# Altium PCB Wireless_Security_Detector.PcbDoc (part 1 of 2) (continued)
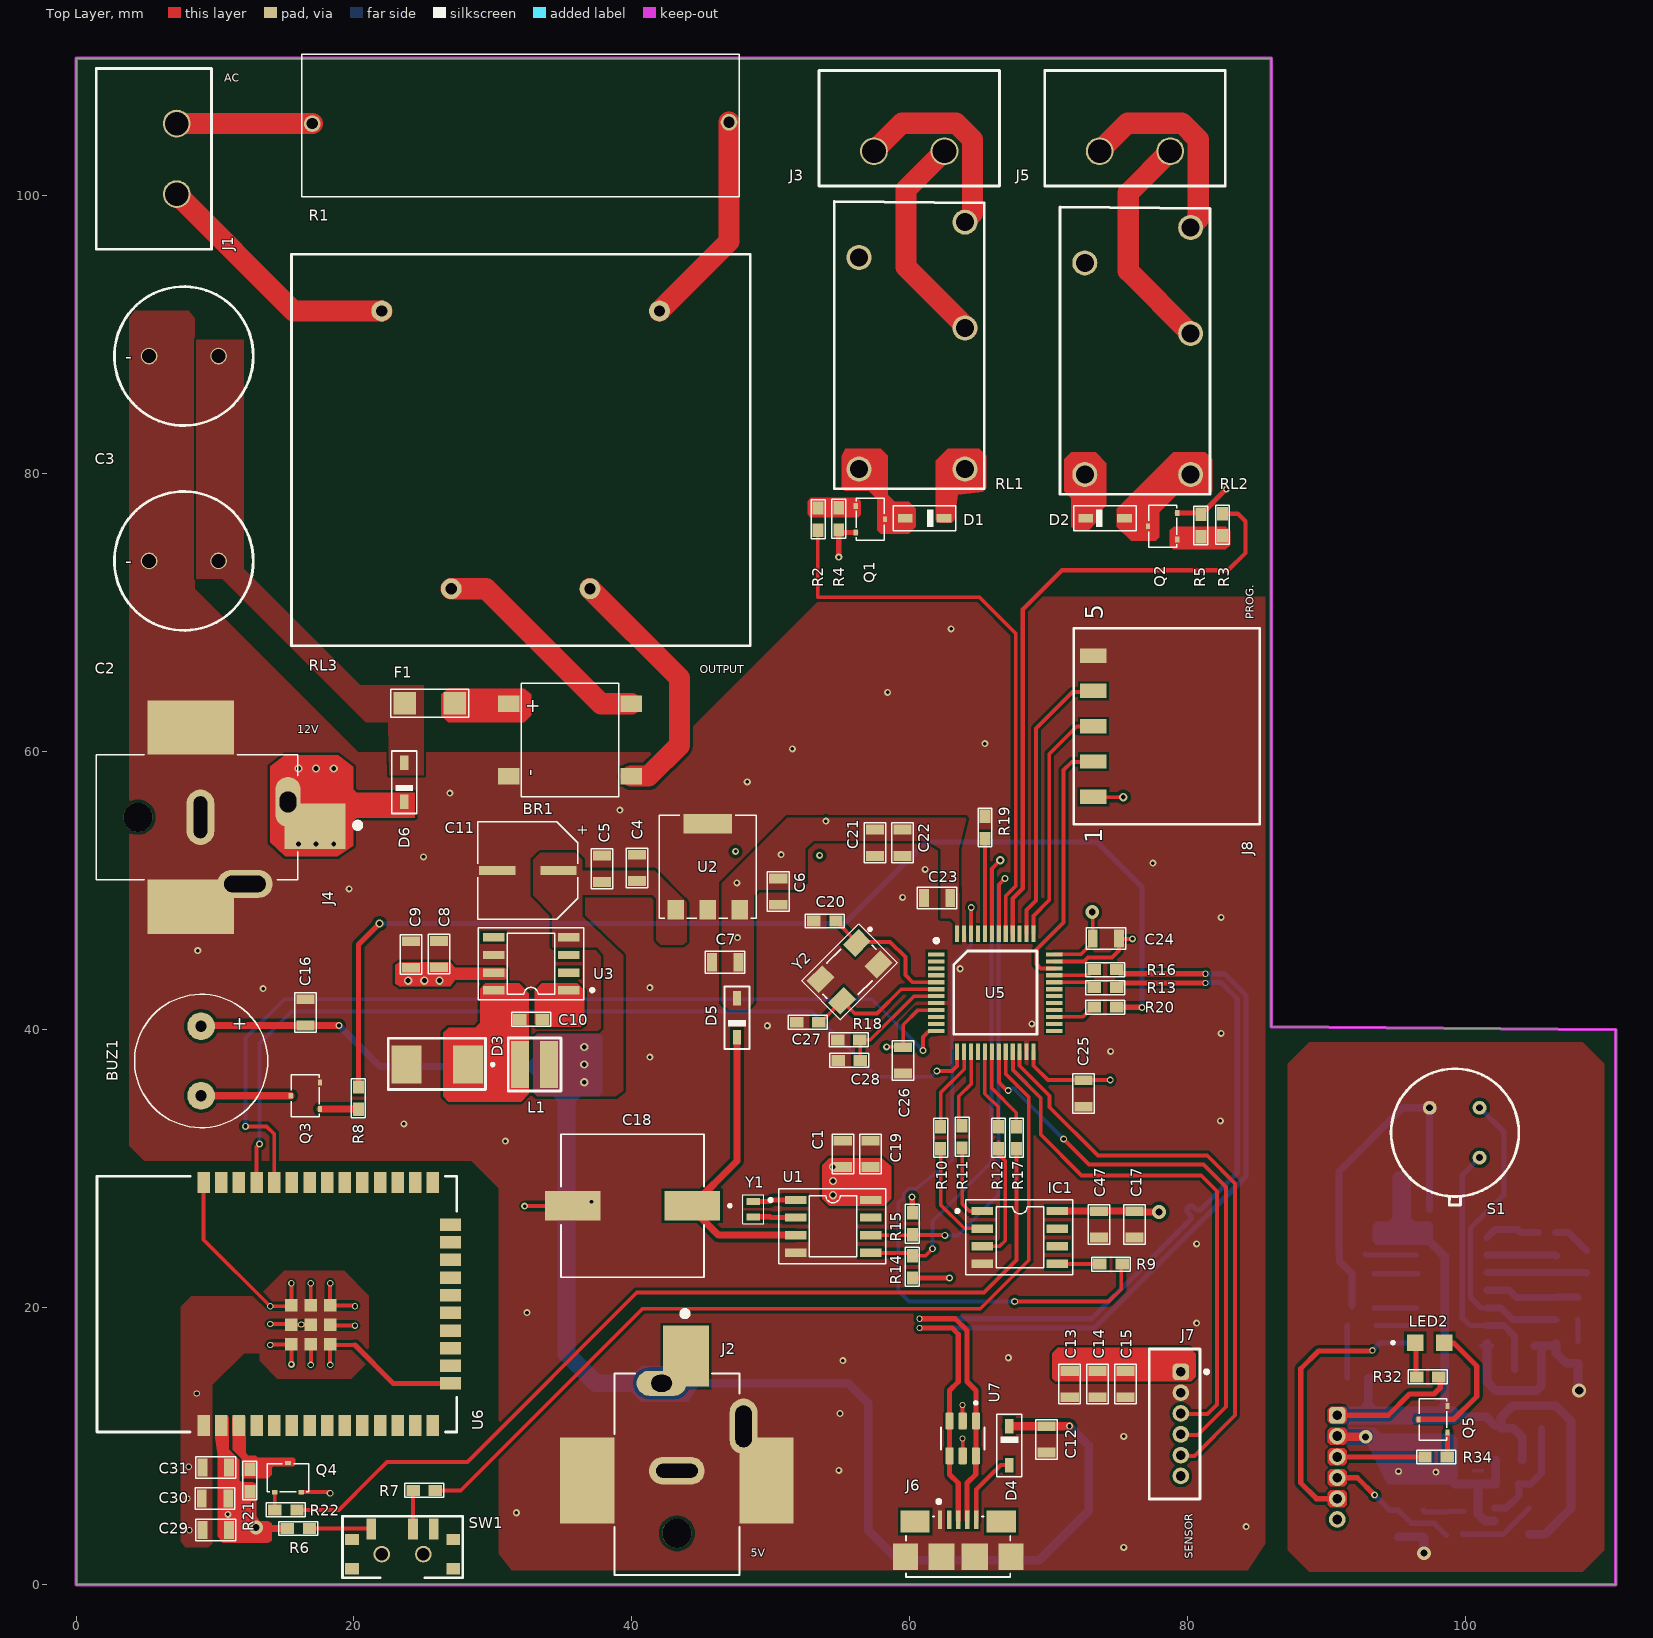
[diagram p0: Top Layer view]
## Layer stack, top to bottom
Top Solder: solder mask 0.0254, SM-001, Dk 4
Top Layer: signal copper 0.035
Dielectric 1: prepreg 0.1295, PP-017, Dk 4.3
Dielectric 2: prepreg 0.1295, PP-017, Dk 4.3
GND: plane copper 0.035, net (Multiple Nets)
Dielectric 3: core 0.7112, Core-039, Dk 4.8
POWER: plane copper 0.035, net (Multiple Nets)
Dielectric 4: prepreg 0.1295, PP-017, Dk 4.3
Dielectric 5: prepreg 0.1295, PP-017, Dk 4.3
Bottom Layer: signal copper 0.035
Bottom Solder: solder mask 0.0254, SM-001, Dk 4

## Board outline
0,0 0,109.928 86.022,109.928 86.022,40.203 110.846,39.967 110.846,0

## Design rules (kind name [scope] priority, off if disabled: settings)
Clearance [All] p1: gap=0.229 ignorepadtopadclearanceinfootprint=TRUE except(0: Arc-Text Track-Text SMDPad-Text THPad-Text Via-Text Fill-Text Poly-Text Region-Text Text-Text Text-Hole; 0.17: Via-Via; 0.178: Arc-Arc Arc-Track Arc-SMDPad Arc-Via Track-Track Track-SMDPad Track-Via SMDPad-Fill SMDPad-Poly SMDPad-Region Fill-Fill Fill-Poly Fill-Region Poly-Poly Poly-Region Region-Region; 0.203: SMDPad-SMDPad SMDPad-THPad THPad-THPad; 0.254: Arc-THPad Track-THPad SMDPad-Via THPad-Via)
ComponentClearance [All] p1: gap=0.127 collisioncheckmode=3 verticalgap=0 showdistances=FALSE
DiffPairsRouting [InDifferentialPair('MCU_USB')] p1: maxlimit=0.208 minlimit=0.208 mostfreqgap=0.208 toplayer_minwidth=0.254 toplayer_maxwidth=0.254 toplayer_prefwidth=0.254 bottomlayer_minwidth=0.254 bottomlayer_maxwidth=0.254 bottomlayer_prefwidth=0.254 impedanceprofiledriven=TRUE impedanceprofileid={974BAFE7-80D8-4E7D-8B9F-85A0DF719B6D} impedanceprofilevalue=90.000000 maxuncoupledlength=12.7
DiffPairsRouting DiffPairsRouting_1 [InDifferentialPair('USB')] p2: maxlimit=0.254 minlimit=0.254 mostfreqgap=0.254 toplayer_minwidth=0.374 toplayer_maxwidth=0.374 toplayer_prefwidth=0.374 bottomlayer_minwidth=0.374 bottomlayer_maxwidth=0.374 bottomlayer_prefwidth=0.374 impedanceprofiledriven=TRUE impedanceprofileid={0E60B319-C4C6-4692-B9CB-4D5091CC0392} impedanceprofilevalue=90.000000 maxuncoupledlength=12.7
HoleSize [All] p1: absolutevalues=TRUE maxlimit=5 minlimit=0.025 maxpercent=80.000 minpercent=20.000
MinimumSolderMaskSliver [All] p1: minsoldermaskwidth=0.1
NetAntennae [All] p1: netantennaetolerance=0.254
PasteMaskExpansion [All] p1: expansion=0.05
PlaneClearance [All] p1: clearance=0.762
PlaneConnect [All] p1: planeconnectstyle=Direct reliefexpansion=0.381 reliefentries=4 reliefconductorwidth=0.381 reliefairgap=0.254
PolygonConnect [All] p1: connectstyle=Direct reliefconductorwidth=0.381 reliefentries=4 polygonreliefangle="90 Angle" airgapwidth=0.254
RoutingCorners [All] p1: cornerstyle=45-Degree minsetback=2.032 maxsetback=2.032
RoutingVias [All] p1: holewidth=0.3 width=0.5 viastyle="Through Hole" minholewidth=0.25 minwidth=0.4 maxholewidth=0.5 maxwidth=1
SMDToCorner [All] p1: distance=10000
SilkToSilkClearance [All] p1 off: silktosilkclearance=0
SilkToSolderMaskClearance [IsPad] p1 off: minsilkscreentomaskgap=0.127 clearancetoexposedcopper=TRUE
SolderMaskExpansion [All] p1: expansion=0.05 istentingtop=FALSE
UnRoutedNet [All] p1: checkbadconnections=TRUE
Width [All] p1: maxlimit=1.778 minlimit=0.203 preferedwidth=0.279 minimp=50.000000 maximp=50.000000 favimp=50.000000
18 further rules are at their usual default settings.

## Classes and differential pairs
component class Sensor_Board: C32 C33 C34 C35 C36 C37 C38 C39 C40 C41 C42 C43 C44 C45 C46 J9 LED1 LED2 Q5 R23 R24 R25 R26 R27 R28 R29 R30 R31 R32 R33 R34 R35 R36 R37 S1 U8 U9
component class Power_Management: BR1 C2 C3 C4 C5 C6 C7 C8 C9 C10 C11 C12 C13 C14 C15 D1 D2 D3 D4 D6 F1 J1 J2 J3 J4 J5 J6 J7 J8 L1 Q1 Q2 R1 R2 R3 R4 R5 RL1 RL2 RL3 U2 U3
component class Microcontroller: BUZ1 C1 C16 C17 C18 C19 C20 C21 C22 C23 C24 C25 C26 C27 C28 C29 C30 C31 C47 D5 IC1 Q3 Q4 R6 R7 R8 R9 R10 R11 R12 R13 R14 R15 R16 R17 R18 R19 R20 R21 R22 SW1 U1 U5 U6 U7 Y1 Y2
differential pair MCU_USB: +MCU_USB_P -MCU_USB_N
differential pair USB: +USB_P -USB_N

## Components (designator, comment, footprint, x,y, rotation, side; value= is the part's Value field where it differs from the comment)
BR1 "DB105S" DB105S 35.56,60.833 r270 top
BUZ1 "CMI-9605IC-0580T" CMI-9605IC-0580T 9,37.721 r0 top
C1 "CL21B105KBFNNNE" CAP_0805 55.19,31.038 r270 top value=1uF
C2 "ESH477M035AH3AA" ESH477M035AH3AA 7.75,73.721 r180 top value=470uF
C3 "ESH477M035AH3AA" ESH477M035AH3AA 7.75,88.471 r180 top value=470uF
C4 "1276-1003-2-ND" CAP_0805 40.386,51.623 r270 top value=100nF
C5 "CL21B105KBFNNNE" CAP_0805 37.846,51.562 r270 top value=1uF
C6 "CL21A475KAQNNNE" CAP_0805 50.546,49.911 r90 top value=4.7uF
C7 "CL21B105KBFNNNE" CAP_0805 46.726,44.831 r0 top value=1uF
C8 "CL21B105KBFNNNE" CAP_0805 26.111,45.415 r270 top value=1uF
C9 "1276-1003-2-ND" CAP_0805 24.105,45.39 r270 top value=100nF
C10 "CL10B102KB8NNNC" CAP_0603 32.75,40.721 r180 top value=10nF
C11 "EEV686M035A9HAA" CAP_ALU_68UF 32.512,51.435 r0 top value=68uF
C12 "CL21A475KAQNNNE" CAP_0805 69.85,10.48 r90 top value=4.7uF
C13 "CL21A475KAQNNNE" CAP_0805 71.53,14.455 r90 top value=4.7uF
C14 "CL21A475KAQNNNE" CAP_0805 73.53,14.455 r90 top value=4.7uF
C15 "CL21B105KBFNNNE" CAP_0805 75.53,14.455 r90 top value=1uF
C16 "1276-1003-2-ND" CAP_0805 16.5,41.221 r270 top value=100nF
C17 "1276-1003-2-ND" CAP_0805 76.2,25.961 r90 top value=100nF
C18 "PCR1E471MCL1GS" CAP_ALU_470UF_SMD 40.056,27.305 r180 top value="470 uF"
C19 "1276-1003-2-ND" CAP_0805 57.19,31.038 r270 top value=100nF
C20 "C0603C104K4RACTU" CAP_0603 53.9,47.8 r0 top value=20pF
C21 "CL21A475KAQNNNE" CAP_0805 57.5,53.437 r90 top value=4.7uF
C22 "CL21B105KBFNNNE" CAP_0805 59.5,53.437 r90 top value=1uF
C23 "1276-1003-2-ND" CAP_0805 61.986,49.454 r0 top value=100nF
C24 "1276-1003-2-ND" CAP_0805 74.127,46.533 r180 top value=100nF
C25 "1276-1003-2-ND" CAP_0805 72.517,35.382 r90 top value=100nF
C26 "1276-1003-2-ND" CAP_0805 59.538,37.77 r90 top value=100nF
C27 "C0603C104K4RACTU" CAP_0603 52.667,40.513 r0 top value=20pF
C28 "C0603C104K4RACTU" CAP_0603 55.651,37.77 r0 top value=0.1uF
C29 "CL21A475KAQNNNE" CAP_0805 10.05,3.971 r0 top value=4.7uF
C30 "1276-1003-2-ND" CAP_0805 10,6.221 r0 top value=100nF
C31 "CL21B105KBFNNNE" CAP_0805 10.05,8.471 r0 top value=1uF
C32 "CL10B102KB8NNNC" CAP_0603 103.988,24.562 r90 bottom value=10nF
C33 "CL21B105KBFNNNE" CAP_0805 96.469,27.102 r180 bottom value=1uF
C34 "1276-1003-2-ND" CAP_0805 96.484,29.007 r180 bottom value=100nF
C35 "C3216X7S0J336M160AC" CAP_0603 108.737,23.266 r90 bottom value=33uF
C36 "CL10B102KB8NNNC" CAP_0603 106.536,21.517 r90 bottom value=10nF
C37 "1276-1003-2-ND" CAP_0805 91.887,23.825 r0 bottom value=100nF
C38 "C3216X7S0J336M160AC" CAP_0603 108.128,19.914 r90 bottom value=33uF
C39 "CL21A475KAQNNNE" CAP_0805 94.536,11.217 r90 bottom value=4.7uF
C40 "CL21A475KAQNNNE" CAP_0805 96.536,11.167 r90 bottom value=4.7uF
C41 "CL21B105KBFNNNE" CAP_0805 98.536,11.167 r90 bottom value=1uF
C42 "1276-1003-2-ND" CAP_0805 105.036,18.166 r90 bottom value=100nF
C43 "1276-1003-2-ND" CAP_0805 104.521,15.519 r180 bottom value=100nF
C44 "1276-1003-2-ND" CAP_0805 103.149,9.017 r0 bottom value=100nF
C45 "CL21A475KAQNNNE" CAP_0805 96.977,4.42 r90 bottom value=4.7uF
C46 "CL21B105KBFNNNE" CAP_0805 95.199,4.42 r90 bottom value=1uF
C47 "CL21B105KBFNNNE" CAP_0805 73.64,25.961 r90 top value=1uF
D1 "1N4148WS" 1N4148WS 61.075,76.8 r180 top
D2 "1N4148WS" 1N4148WS 74.075,76.8 r0 top
D3 "1SMB5919BT3G" 1SMB5919BT3G 25.984,37.465 r0 top value=5.6V
D4 "1N4148WS" 1N4148WS 67.183,10.033 r270 top
D5 "1N4148WS" 1N4148WS 47.574,40.843 r90 top
D6 "1N4148WS" 1N4148WS 23.622,57.785 r90 top
F1 "3413.0216.22" "FUSE 1A" 25.45,63.471 r180 top
IC1 "MAX6662MSA+" SOIC-8 67.945,25.019 r0 top
J1 "TERMINAL BLOCK 2P" TBP01R1-508 7.239,102.667 r90 top
J2 "PJ-037AH-SMT-TR" PJ-037AH-SMT-TR 43.25,10.096 r90 top
J3 "TERMINAL BLOCK 2P" TBP01R1-508 59.975,103.221 r0 top
J4 "PJ-037AH-SMT-TR" PJ-037AH-SMT-TR 10.825,55.271 r0 top
J5 "TERMINAL BLOCK 2P" TBP01R1-508 76.225,103.221 r0 top
J6 "USB2.0 MICRO B" "USB2.0 MICRO B" 63.5,4.7 r0 top
J7 "64800611622" 64800611622 79.08,11.598 r90 top
J8 "HEADER 5P FEMALE RA" HDR_5_POS_CONN_RA 73.228,61.824 r90 top
J9 "64800611622" 64800611622 91.236,8.467 r90 bottom
L1 "78438335470" INT_47UL 33,37.471 r0 top value="47 µH"
LED1 "LTST-C171GKT" "LED GREEN 0805" 92.558,18.694 r0 bottom
LED2 "LTST-C171KRKT" "LED RED 0805" 97.451,17.45 r0 top
Q1 "MMBT3904-7-F" SOT-23F 57.175,76.725 r270 top
Q2 "MMBT3904-7-F" SOT-23F 78.225,76.221 r90 top
Q3 "MMBT3904-7-F" SOT-23F 16.5,35.221 r90 top
Q4 "MMBT3904-7-F" SOT-23F 15.25,7.721 r0 top
Q5 "MMBT3904-7-F" SOT-23F 97.68,11.923 r90 top
R1 "5WD27" RES_AXIAL_W 32,105.207 r0 top value="270 Ohm"
R2 "RC0603FR-071KL" RES_0603 53.416,76.733 r90 top value=1K
R3 "RC0603FR-071KL" RES_0603 82.525,76.327 r270 top value=1K
R4 "RC0603FR-0710KL" RES_0603 54.9,76.75 r90 top value=10k
R5 "RC0603FR-0710KL" RES_0603 80.975,76.271 r270 top value=10k
R6 "RC0603FR-07100RL" RES_0603 16.002,4.064 r180 top value=100R
R7 "RC0603FR-07100RL" RES_0603 25.057,6.807 r180 top value=100R
R8 "RC0603FR-07100RL" RES_0603 20.32,35.052 r270 top value=100R
R9 "RC0603FR-07100RL" RES_0603 74.5,23.1 r0 top value=100R
R10 "RC0603FR-07100RL" RES_0603 62.23,32.194 r270 top value=100R
R11 "RC0603FR-07100RL" RES_0603 63.779,32.258 r270 top value=100R
R12 "RC0603FR-07100RL" RES_0603 66.4,32.2 r270 top value=100R
R13 "RC0603FR-0715RL" RES_0603 74.1,43 r0 top value=15R
R14 "RC0603FR-074K7L" RES_0603 60.2,22.9 r270 top value=4.7K
R15 "RC0603FR-074K7L" RES_0603 60.2,26 r90 top value=4.7K
R16 "RC0603FR-0715RL" RES_0603 74.1,44.3 r0 top value=15R
R17 "RC0603FR-07100RL" RES_0603 67.7,32.2 r270 top value=100R
R18 "RC0603FR-07100RL" RES_0603 55.626,39.243 r0 top value=100R
R19 "RC0603FR-07100RL" RES_0603 65.43,54.534 r270 top value=100R
R20 "RC0603FR-07100RL" RES_0603 74.1,41.6 r0 top value=100R
R21 "RC0603FR-071KL" RES_0603 12.5,7.521 r270 top value=1K
R22 "RC0603FR-07100RL" RES_0603 15.1,5.41 r180 top value=100R
R23 "RC0603FR-071KL" RES_0603 92.304,14.91 r0 bottom value=1K
R24 "RC0603FR-07220KL" RES_0603 94.183,24.613 r90 bottom value=220K
R25 "RC0603FR-07560KL" RES_0603 105.258,24.562 r90 bottom value=560K
R26 "RC0603FR-0710KL" RES_0603 106.536,24.562 r270 bottom value=10k
R27 "RC0603FR-07560KL" RES_0603 105.286,21.517 r90 bottom value=560K
R28 "CR160000F" RES_0603 92.659,20.117 r0 bottom value=0R
R29 "CR160000F" RES_0603 92.659,22.403 r0 bottom value=0R
R30 "RC0603FR-0743KL" RES_0603 106.536,18.166 r90 bottom value=43K
R31 "RC0603FR-0710KL" RES_0603 108.128,16.751 r90 bottom value=10k
R32 "RC0603FR-07100RL" RES_0603 97.307,14.986 r0 top value=100R
R33 "TFPT1206L1002FM" PTC_1206 104.038,11.278 r180 bottom value=10k
R34 "RC0603FR-071KL" RES_0603 97.904,9.217 r0 top value=1K
R35 "RC0603FR-071KL" RES_0603 99.898,4.458 r90 bottom value=1K
R36 "RC0603FR-07100KL" RES_0603 98.577,4.458 r90 bottom value=100K
R37 "RC0603FR-0710KL" RES_0603 102.997,7.264 r0 bottom value=10k
RL1 "ALQ112" ALQ112 60.075,89.221 r90 top
RL2 "ALQ112" ALQ112 76.325,88.831 r90 top
RL3 "BV302S12010" BV302S12010 32,81.721 r180 top
S1 "LHI 878/3902" "LHI 878" 99.263,32.563 r180 top
SW1 "EG1215AA" EG1215AA 23.5,2.221 r0 top
U1 "M41T00M6F" SOIC-8 54.49,25.816 r0 top
U2 "AP7361EA-33E-13" AP7361EA-33E-13 45.466,51.714 r0 top
U3 "LM2675MX-12/NOPB" LM2675MX-12/NOPB 32.75,44.721 r180 top
U5 "STM32F103C6T6A" LQFP-48 66.174,42.641 r270 top
U6 "ESP32-WROOM-32E-N4" ESP32-WROOM-32E 16.9,18.721 r90 top
U7 "USBLC6-2SC6" SOT95P280X145-6N 63.825,10.55 r270 top
U8 "NCS36000" NCS36000 99.036,21.217 r180 bottom
U9 "OPA314AIDBVR" OPA314 103.353,4.597 r0 bottom
Y1 "ABS05-32.768KHZ-T" XTAL_ABS05-32.768KHZ-T 48.743,27.051 r90 top value="32.768 kHz"
Y2 "ECS-160-20-30B-TR" XTAL_ECS-160-20-30B-TR 55.674,44.141 r225 top value=16MHz

## Footprints (in the part's own frame and the unit in brackets; to place one, negate y for a bottom-side part, rotate by r counter-clockwise, add the part's x,y. Pads: shape width x height; smd on the part's side, far side on the other; paste and mask are expansions set on the pad)
1N4148WS [mm]
  rect 1.05x0.6 smd: A(1.4,0) C(-1.4,0)
  silkscreen extent -2.25,-0.9 2.25,0.9, body extent -1.25,-0.63 1.25,0.63, height 1.1
1SMB5919BT3G [mm]
  rect 2.159x2.743 smd mask+0.05: 1(-2.21,0) 2(2.21,0)
  silkscreen extent -3.51,-1.8 4.1,1.9, body extent -2.73,-1.66 2.71,1.9, height 2.39
64800611622 [mm]
  rrect50% 1.2x1.2 hole 0.7: 1(3.75,-0.45)
  round 1.2 hole 0.7: 2(2.25,-0.45) 3(0.75,-0.45) 4(-0.75,-0.45) 5(-2.25,-0.45) 6(-3.75,-0.45)
  silkscreen extent -5.4,-2.43 5.4,1.83, body extent -5.25,-1.75 5.25,1.75, height 4.53
ALQ112 [mm]
  round 1.8 hole 1.3 mask+0.05: 1(6.35,3.71) 2(1.27,-3.91) 3(8.89,-3.91) 4(-8.89,3.71) 5(-8.89,-3.91)
  silkscreen extent -10.3,-5.3 10.37,5.5, body extent -10,-5 10,5, height 16
AP7361EA-33E-13 [mm]
  rect 1.2x1.4 smd mask+0.05: 1(-2.3,-3.1) 2(0,-3.1) 3(2.3,-3.1)
  rect 3.5x1.4 smd mask+0.05: 2(0,3.1)
  silkscreen extent -3.5,-3.7 3.5,3.7, body extent -3.25,-3.48 3.25,3.48, height 1.65
BV302S12010 [mm]
  round 1.5 hole 0.8 mask+0.05: 1(10,-10) 5(-10,-10) 7(5,10) 9(-5,10)
  silkscreen extent -16.52,-14.08 16.5,14.1, body extent -16.25,-13.75 16.25,13.75, height 21.8
CAP_0603 [mil]
  rect 38x31 smd mask+1.97: 1(-31.5,0) 2(31.5,0)
  silkscreen extent -55,-20 55,20, body extent -41,-20 41,21, height 31
CAP_0805 [mm]
  rect 0.7x1.3 smd mask+0.05: 1(-0.95,0) 2(0.95,0)
  silkscreen extent -1.43,-0.77 1.43,0.77, body extent -1,-0.72 1,0.72, height 1.22
CAP_ALU_68UF [mm]
  rect 2.6x0.65 smd mask+0.05: 1(2.2,0) 2(-2.2,0)
  silkscreen extent -3.6,-3.5 3.6,3.5, body extent -3.8,-3.4 3.8,3.4, height 7.71
CAP_ALU_470UF_SMD [mm]
  rect 4.01x2.12 smd: 1(-4.3,0) 2(4.3,0)
  silkscreen extent -7.1,-5.15 5.15,5.15, body extent -5.6,-5.16 5.6,5.16, height 12.75
CMI-9605IC-0580T [mm]
  round 2 hole 0.8 mask+0.05: 1(0,2.5) 2(0,-2.5)
  silkscreen extent -4.8,-4.8 4.8,4.8, body extent -4.8,-4.8 4.8,6, height 5.16
DB105S [mm]
  rect 1.2x1.55 smd mask+0.05: 1(2.605,4.4) 2(-2.605,4.4) 3(-2.605,-4.4) 4(2.605,-4.4)
  silkscreen extent -4.1,-3.5 4.1,3.5, body extent -4.16,-5.2 4.16,5.2, height 2.66
EG1215AA [mm]
  rect 0.7x1.5 smd mask+0.05: 1(-2.25,1.8) 2(0.75,1.8) 3(2.25,1.8)
  rect 1x0.8 smd mask+0.05: ""(-3.65,-1.05) ""(-3.65,1.05) ""(3.65,-1.05) ""(3.65,1.05)
  round 1.2 hole 0.9 mask+0.05: ""(-1.5,0) ""(1.5,0)
  silkscreen extent -4.32,-1.7 4.33,2.73, body extent -3.85,-2.7 3.85,2.2, height 1.4
ESH477M035AH3AA [mm]
  round 1.2 hole 1 mask+0.05: 1(-2.5,0) 2(2.5,0)
  silkscreen extent -5,-5 5,5, body extent -6.75,-6.75 6.75,6.75, height 25
ESP32-WROOM-32E [mm]
  rect 1.5x0.9 smd mask+0.05: 1(-7.25,7.72) 2(-7.25,6.45) 3(-7.25,5.18) 4(-7.25,3.91) 5(-7.25,2.64) 6(-7.25,1.37) 7(-7.25,0.1) 8(-7.25,-1.17) 9(-7.25,-2.44) 10(-7.25,-3.71) 11(-7.25,-4.98) 12(-7.25,-6.25) 13(-7.25,-7.52) 14(-7.25,-8.79) 25(10.25,-8.79) 26(10.25,-7.52) 27(10.25,-6.25) 28(10.25,-4.98) 29(10.25,-3.71) 30(10.25,-2.44) 31(10.25,-1.17) 32(10.25,0.1) 33(10.25,1.37) 34(10.25,2.64) 35(10.25,3.91) 36(10.25,5.18) 37(10.25,6.45) 38(10.25,7.72)
  rect 0.9x1.5 smd mask+0.05: 15(-4.215,-10.04) 16(-2.945,-10.04) 17(-1.675,-10.04) 18(-0.405,-10.04) 19(0.865,-10.04) 20(2.135,-10.04) 21(3.405,-10.04) 22(4.675,-10.04) 23(5.945,-10.04) 24(7.215,-10.04)
  rect 0.9x0.9 smd mask+0.05: 39(-1.4,-1.4) 39(-1.4,0) 39(-1.4,1.4) 39(0,1.4) 39(0,0) 39(0,-1.4) 39(1.4,-1.4) 39(1.4,0) 39(1.4,1.4)
  silkscreen extent -7.7,-10.5 10.7,15.4, body extent -7.5,-10.3 10.5,15.2, height 3.25
"FUSE 1A" [mm]
  rect 1.6x1.6 smd mask+0.05: 1(-1.8,0) 2(1.8,0)
  silkscreen extent -2.8,-1 2.8,1, body extent -1.6,-0.8 1.6,0.8, height 0.6
HDR_5_POS_CONN_RA [mm]
  rect 1.04x1.91 smd mask+0: 1(-5.08,0) 2(-2.54,0) 3(0,0) 4(2.54,0) 5(5.08,0)
  silkscreen extent -7.05,-11.98 7.05,1.41, body extent -6.6,-11.51 6.61,0.43, height 2.41
INT_47UL [mm]
  rect 1.3x3.4 smd mask+0.05: 1(-1.05,0) 2(1.05,0)
  silkscreen extent -1.9,-1.9 1.9,1.9, body extent -1.5,-1.5 1.5,1.5, height 0.25
"LED GREEN 0805" [mm]
  rect 1.2x1.2 smd: 1(-1.05,0) 2(1.05,0)
  silkscreen extent -2.75,-0.1 -2.55,0.1, body extent -1,-0.63 1,0.63, height 0.8
"LED RED 0805" [mm]
  rect 1.2x1.2 smd: 1(-1.05,0) 2(1.05,0)
  silkscreen extent -2.75,-0.1 -2.55,0.1, body extent -1,-0.63 1,0.63, height 1.1
"LHI 878" [mm]
  round 1 hole 0.5 mask+0.05: 1(-1.774,1.8) 2(-1.774,-1.792) 3(1.818,-1.792)
  silkscreen extent -4.6,-4.6 4.6,5.2, body extent -4.6,-4.6 4.6,5.03, height 4.3
LM2675MX-12/NOPB [mm]
  rect 1.55x0.6 smd mask+0.05: 1(-2.7,1.905) 2(-2.7,0.635) 3(-2.7,-0.635) 4(-2.7,-1.905) 5(2.7,-1.905) 6(2.7,-0.635) 7(2.7,0.635) 8(2.7,1.905)
  silkscreen extent -4.5,-2.6 3.8,2.6, body extent -3,-2.44 3,2.46, height 1.72
LQFP-48 [mm]
  rect 0.3x1.2 smd mask+0.05: 1(-2.75,-4.25) 2(-2.25,-4.25) 3(-1.75,-4.25) 4(-1.25,-4.25) 5(-0.75,-4.25) 6(-0.25,-4.25) 7(0.25,-4.25) 8(0.75,-4.25) 9(1.25,-4.25) 10(1.75,-4.25) 11(2.25,-4.25) 12(2.75,-4.25) 25(2.75,4.25) 26(2.25,4.25) 27(1.75,4.25) 28(1.25,4.25) 29(0.75,4.25) 30(0.25,4.25) 31(-0.25,4.25) 32(-0.75,4.25) 33(-1.25,4.25) 34(-1.75,4.25) 35(-2.25,4.25) 36(-2.75,4.25)
  rect 1.2x0.3 smd mask+0.05: 13(4.25,-2.75) 14(4.25,-2.25) 15(4.25,-1.75) 16(4.25,-1.25) 17(4.25,-0.75) 18(4.25,-0.25) 19(4.25,0.25) 20(4.25,0.75) 21(4.25,1.25) 22(4.25,1.75) 23(4.25,2.25) 24(4.25,2.75) 37(-4.25,2.75) 38(-4.25,2.25) 39(-4.25,1.75) 40(-4.25,1.25) 41(-4.25,0.75) 42(-4.25,0.25) 43(-4.25,-0.25) 44(-4.25,-0.75) 45(-4.25,-1.25) 46(-4.25,-1.75) 47(-4.25,-2.25) 48(-4.25,-2.75)
  silkscreen extent -3.9,-4.4 3,3, body extent -4.5,-4.5 4.5,4.5, height 1.6
NCS36000 [mm]
  rect 1.48x0.58 smd mask+0.05: 1(-2.54,3.81) 2(-2.54,2.54) 3(-2.54,1.27) 4(-2.54,0) 5(-2.54,-1.27) 6(-2.54,-2.54) 7(-2.54,-3.81) 8(2.54,-3.81) 9(2.54,-2.54) 10(2.54,-1.27) 11(2.54,0) 12(2.54,1.27) 13(2.54,2.54) 14(2.54,3.81)
  silkscreen extent -4.62,-4.4 3.8,4.45, body extent -3,-4.28 3,4.28, height 1.83
OPA314 [mm]
  rrect50% 1.21x0.59 smd: 1(-1.255,0.95) 2(-1.255,0) 3(-1.255,-0.95) 4(1.255,-0.95) 5(1.255,0.95)
  silkscreen extent -2.51,-1.45 0.8,1.45, body extent -1.4,-1.45 1.4,1.45, height 1.41
PJ-037AH-SMT-TR [mm]
  rect 4.4x3.3 smd: 1A(6.375,-0.65)
  oval 1.8x3.6 hole 1.2 slot 1.5 at 90 deg: 1B(4.425,1.1)
  rect 6.2x3.9 smd: 2A(-2.575,6.45) 3A(-2.575,-6.45)
  oval 2x4 hole 1 slot 3 at 90 deg: 2B(-1.875,0)
  oval 4x2 hole 1.2 slot 3 at 0 deg: 3B(1.325,-4.8)
  round 2.1 hole 2.1 unplated: ""(-6.375,0)
  silkscreen extent -9.37,-4.5 9.63,4.5, body extent -9.4,-7.6 7.7,7.6, height 11.05
PTC_1206 [mm]
  rect 0.9x1.6 smd mask+0.05: 1(-1.45,0) 2(1.45,0)
  silkscreen extent -2.1,-1 2.1,1, body extent -1.51,-0.77 1.51,0.77, height 0.55
RES_0603 [mil]
  rect 38x31 smd mask+1.97: 1(-31.5,0) 2(31.5,0)
  silkscreen extent -55,-20 55,20, body extent -31,-18 31,18, height 20
RES_AXIAL_W [mm]
  round 1.2 hole 0.8 mask+0.05: 1(-15,0) 2(15,0.1)
  silkscreen extent -15.75,-5.25 15.75,5, body extent -15.4,-4.92 15.4,4.73, height 9.65
SOIC-8 [mm]
  rect 1.55x0.6 smd mask+0.05: 1(-2.7,1.905) 2(-2.7,0.635) 3(-2.7,-0.635) 4(-2.7,-1.905) 5(2.7,-1.905) 6(2.7,-0.635) 7(2.7,0.635) 8(2.7,1.905)
  silkscreen extent -4.6,-2.7 3.8,2.7, body extent -3,-2.44 3,2.46, height 1.75
SOT95P280X145-6N [mm]
  rrect25% 1.21x0.59 smd: 1(-1.255,0.95) 2(-1.255,0) 3(-1.255,-0.95) 4(1.255,-0.95) 5(1.255,0) 6(1.255,0.95)
  silkscreen extent -2.65,-1.57 0.81,1.57, body extent -1.4,-1.46 1.4,1.46, height 1.4
SOT-23F [mm]
  rect 0.42x0.3 smd mask+0.05: 1(-0.95,-1.05) 2(0.95,-1.05) 3(0,1.05)
  silkscreen extent -1.5,-1 1.5,1, body extent -1.45,-1.2 1.45,1.2, height 0.88
TBP01R1-508 [mm]
  round 2 hole 1.7 mask+0.05: 1(2.54,0) 2(-2.54,0)
  silkscreen extent -6.5,-2.5 6.5,5.8, body extent -5.88,-2 5.88,10, height 8.51
"USB2.0 MICRO B" [mm]
  rect 0.3x1.35 smd: 1(1.3,0) 2(0.65,0) 3(0,0) 4(-0.65,0) 5(-1.3,0)
  rect 1.8x1.9 smd: SH(-3.8,-2.675) SH(3.8,-2.675)
  rect 1.9x1.9 smd: SH(-1.2,-2.675) SH(1.2,-2.675)
  rect 2.1x1.6 smd: SH1(-3.1,-0.125) SH2(3.1,-0.125)
  silkscreen extent -3.75,-4.13 3.75,1.4, body extent -3.96,-5.4 3.96,0.27, height 2.5
XTAL_ABS05-32.768KHZ-T [mm]
  rect 0.5x1 smd: 1(-0.55,0) 2(0.55,0)
  silkscreen extent -1.05,-0.75 1.05,0.75, body extent -0.8,-0.5 0.8,0.5, height 0.5
XTAL_ECS-160-20-30B-TR [mm]
  rect 1.6x1.25 smd: 1(-1.85,-1.1) 2(1.85,-1.1) 3(1.85,1.1) 4(-1.85,1.1)
  silkscreen extent -3.31,-1.98 2.9,1.98, body extent -2.5,-1.6 2.5,1.6, height 0.85

## Part data
BR1: "BRIDGE RECT 1PHASE 600V 1A DB-S", Case Package=DB-S, Current=1A, Max Supply Voltage=600V, Supplier Part Number=1655-DB105STR-ND, Designed by="Emirhan Bozkurt", Mounting Type="Surface Mount", Supplier 1=DigiKey
BUZ1: "BUZZER MAGNETIC 5V 9.6MM TH", Case Package=CMI-9605IC, Max Supply Voltage=7V, Min Supply Voltage=3V, Supplier Part Number=2223-CMI-9605IC-0580T-ND, Designed by="Emirhan Bozkurt", Manufacturer Product Number=CMI-9605IC-0580T, Mounting Type=TH, Size=9.6mm, Supplier 1=DigiKey
C1 C5 C7 C8 C15 C22 C31 C33 C41 C46 C47: library part "CAP CER 1uF 0805", "CAP CER 1uF 25V X5R 0805", Case Package=0805, Manufacturer="Samsung Electro-Mechanics", Supplier Part Number=1276-1029-1-ND, Designed by="Emirhan Bozkurt", Mounting Type="Surface Mount", Supplier 1=DigiKey
  C1 C15 C22 C31 C33 C41 C46 C47: Manufacturer Product Number=CL21B105KBFNNNE
C2 C3: library part "CAP ALU 470uF TH", "CAP ALUM 470UF 20% 35V RADIAL TH", Manufacturer=KEMET, Manufacturer Product Number=ALA7DA471CF450, Supplier Part Number=399-6592-ND, Category="Aluminum Electrolytic Capacitors", Designed by="Emirhan Bozkurt", Mounting Type=TH, Size=10mm, Supplier 1=DigiKey
C4 C9 C16 C17 C19 C23 C24 C25 C26 C30 C34 C37 C42 C43 C44: library part "CAP CER 100nF 0805", "CAP CER 0.1uF 50V X7R 0805", Case Package=0805, Designed by="Emirhan Bozkurt", Manufacturer Product Number=1276-1003-2-ND, Mounting Type="Surface Mount", Supplier 1=DigiKey, Supplier Part Number=1276-1003-2-ND
C6 C12 C13 C14 C21 C29 C39 C40 C45: library part "CAP CER 4.7uF 0805", "CAP CER 4.7uF 25V X5R 0805", Case Package=0805, Manufacturer="Samsung Electro-Mechanics", Designed by="Emirhan Bozkurt", Manufacturer Product Number=CL21A475KAQNNNE, Mounting Type="Surface Mount", Supplier 1=DigiKey, Supplier Part Number=CL21A475KAQNNNE
C10 C32 C36: library part "CAP CER 10nF 0603", "CAP CER 1000pF 50V X7R 0603", Case Package=0603, Manufacturer="Samsung Electro-Mechanics", Supplier Part Number=1276-1018-1-ND, Designed by="Emirhan Bozkurt", Mounting Type="Surface Mount", Supplier 1=DigiKey
  C32 C36: Manufacturer Product Number=CL10B102KB8NNNC
C11: library part "CAP ALU 68uF SMD", "CAP ALUM 68uF 20% 35V SMD", Case Package=0603, Manufacturer=KEMET, Supplier Part Number=399-6722-1-ND, Category="Aluminum Electrolytic Capacitors", Designed by="Emirhan Bozkurt", Mounting Type="Surface Mount", Supplier 1=DigiKey
C18: library part "CAP ALU 470uF SMD", "CAP ALUM POLY 470uF 20% 25V SMD", Manufacturer=Nichicon, Supplier Part Number=493-13756-2-ND, Supply Voltage=25V, Category="Aluminum - Polymer Capacitors", Designed by="Emirhan Bozkurt", Manufacturer Product Number=PCR1E471MCL1GS, Mounting Type="Surface Mount", Parameter 1=DigiKey, Supplier 1="Digi Key"
C20 C27: library part "CAP CER 20pF 0603", "CAP CER 20pF 50V C0G/NP0 0603", Case Package=0603, Manufacturer="Samsung Electro-Mechanics", Supplier Part Number=1276-1187-2-ND, Designed by="Emirhan Bozkurt", Manufacturer Product Number=C0603C104K4RACTU, Mounting Type="Surface Mount", Supplier 1=DigiKey
C28: library part "CAP CER 0.1uF 0603", "CAP CER 0.1uF 16V X7R 0603", Case Package=0603, Manufacturer="Samsung Electro-Mechanics", Supplier Part Number=399-C0603C104K4RACTUTR-ND, Designed by="Emirhan Bozkurt", Manufacturer Product Number=C0603C104K4RACTU, Mounting Type="Surface Mount", Supplier 1=DigiKey
C35 C38: library part "CAP CER 33uF 1206", "CAP CER 33UF 6.3V X7S 1206", Case Package=1206, Manufacturer="TDK Corporation", Supplier Part Number=445-14814-2-ND, Designed by="Emirhan Bozkurt", Manufacturer Product Number=C3216X7S0J336M160AC, Mounting Type="Surface Mount", Supplier 1=DigiKey
D1 D2 D4 D5 D6: "DIODE STANDARD 75V 150MA SOD323F", Case Package="SOD-323F Diotec", Manufacturer="Diotec Semiconductor", Supplier Part Number=1N4148WSFSTR-ND, Check_prices=https://www.snapeda.com/parts/1N4148WS/Diotec/view-part/?ref=eda, Designed by="Emirhan Bozkurt", Manufacturer Product Number=1N4148WS, Supplier 1=DigiKey
D3: "DIODE ZENER 5.6V 3W SMB", Case Package=SMB, Manufacturer=Onsemi, Supplier Part Number=1SMB5919BT3GOSCT-ND, Mounting Type="Surface Mount", Supplier 1=DigiKey
F1: library part "FUSE 1A", "FUSE BRD MNT 1A 32VAC 63VDC 1206", Current=1A, Supplier Part Number=486-1144-2-ND, Voltage DC=63V, Designed by="Emirhan Bozkurt", Mounting Type="Surface Mount", Supplier 1="Digi Key"
IC1: "TEMPERATURE SENSOR DIGITAL REMOTE 8SOIC", Case Package=SOIC-8, Max Operating Temperature=+150, Min Operating Temperature=-55, Supplier Part Number=MAX6662MSA+-ND, Designed by="Emirhan Bozkurt", Manufacturer Product Number=MAX6662MSA+, Supplier 1=DigiKey
J2 J4: library part PJ-037AH-SMT-TR_1, "CONN PWR JACK 2X5.5MM SOLDER", Manufacturer="Same Sky", Supply Voltage=24VDC, Designed by="Emirhan Bozkurt", Manufacturer Product Number=PJ-037AH-SMT-TR, Mounting Type="Surface Mount, Right Angle; Through Hole", Supplier 1=DigiKey, Supplier Part Number=PJ-037AH-SMT-TR
J6: "CONN RCPT USB2.0 MICRO B SMD R/A", Manufacturer="Amphenol ICC", Manufacturer Product Number=10118192-0001LF, Supplier Part Number=609-4613-2-ND, Connector Type="USB - micro B", Designed by="Emirhan Bozkurt", Mounting Type="Surface Mount, Right Angle", Supplier 1=DigiKey
J7 J9: library part 64800611622-CONN-6P, "WR-WTB WIRE-TO-BOARD CONNECTORS", Manufacturer=WE, Manufacturer Product Number=1SMB5919BT3G, Supplier Part Number=732-64800611622-ND, Contact Type=Male, Designed by="Emirhan Bozkurt", Number of Positions=6, Pitch="1.5 mm", Supplier 1=DigiKey
J8: "CONN RCPT 5POS 0.1 GOLD SMD R/A", Manufacturer=Samtec, Manufacturer Product Number=SMH-105-02-L-S, Package=None, Number of Positions=5, Supplier 1=DigiKey, Supplier Part Number=SMH-105-02-L-S
L1: library part "INT 47uH", "FIXED IND 47UH 390MA 2.3 OHM SMD", Manufacturer=Würth, Supply  Part Number=732-6947-2-ND, Designed by="Emirhan Bozkurt", Supplier 1=DigiKey
LED1: library part "LED GREEN", "LED GREEN CLEAR SMD", Color=Green, Manufacturer="Lite-On Inc.", Supplier Part Number=160-1423-2-ND, Designed by="Emirhan Bozkurt", Manufacturer Product Number=LTST-C171GKT, Supplier 1=DigiKey
LED2: library part "LED RED", "LED RED CLEAR SMD", Color=Red, Manufacturer="Lite-On Inc.", Manufacturer Product Number=LTST-C171KRKsT, Supplier Part Number=160-1427-2-ND, Designed by="Emirhan Bozkurt", Supplier 1=DigiKey
Q1 Q2 Q3 Q4 Q5: "TRANS NPN 40V 0.2A SOT-23-3", Case Package=SOT-23-3, Supplier Part Number=MMBT3904-FDICT-ND, Voltage - Collector Emitter=40V, ComponentLink1Description=Datasheet, ComponentLink1URL=https://www.digikey.com/en/products/detail/toshiba-semiconductor-and-storage/SSM3K357R-LF/8611159, FET Type=NPN, Parameter 1="Surface Mount", Supplier 1=DigiKey
  Q3 Q4 Q5: Manufacturer Product Number=MMBT3904-7-F
R1: "RES WIREWOUND 270 Ohm", Max Power="5 W", Mounting Type=TH, Supplier 1="NTE Electronics", Supplier Part Number=5WD27
R2 R3 R21 R23 R34 R35: library part "RES 1K 0603", "RES 1K 1% 1/10W 0603", Case Package=0603, Manufacturer=YAGEO, Suppier Part Number=311-1.00KHRCT-ND, Category="Chip Resistor", Designed by="Emirhan Bozkurt", Manufacturer Product Number=RC0603FR-071KL, Mounting Type="Surface Mount", Supplier 1=DigiKey
R4 R5 R26 R31 R37: library part "RES 10K 0603", "RES 10K OHM 1% 1/10W 0603", Case Package=0603, Manufacturer=YAGEO, Suppier Part Number=311-10.0KHRTR-ND, Category="Chip Resistor", Designed by="Emirhan Bozkurt", Manufacturer Product Number=RC0603FR-0710KL, Mounting Type="Surface Mount", Supplier 1=DigiKey
R6 R7 R8 R9 R10 R11 R12 R17 R18 R19 R20 R22 R32: library part "RES 100R 0603", "RES 100 OHM 1% 1/10W 0603", Case Package=0603, Manufacturer=YAGEO, Suppier Part Number=311-100HRTR-ND, Category="Chip Resistor", Designed by="Emirhan Bozkurt", Manufacturer Product Number=RC0603FR-07100RL, Mounting Type="Surface Mount", Supplier 1=DigiKey
R13 R16: library part "RES 15R 0603", "RES 15 OHM 1% 1/10W 0603", Case Package=0603, Manufacturer=YAGEO, Suppier Part Number=311-15.0HRTR-ND, Category="Chip Resistor", Designed by="Emirhan Bozkurt", Manufacturer Product Number=RC0603FR-0715RL, Mounting Type="Surface Mount", Supplier 1=DigiKey
R14 R15: library part "RES 4K7 0603", "RES 4K7 OHM 1% 1/10W 0603", Case Package=0603, Manufacturer=YAGEO, Suppier Part Number=311-4.70KHRCT-ND, Category="Chip Resistor", Designed by="Emirhan Bozkurt", Manufacturer Product Number=RC0603FR-074K7L, Mounting Type="Surface Mount", Supplier 1=DigiKey
R24: library part "RES 220K 0603", "RES 220K OHM 1% 1/10W 0603", Case Package=0603, Manufacturer=YAGEO, Suppier Part Number=311-220KHRTR-ND, Category="Chip Resistor", Designed by="Emirhan Bozkurt", Manufacturer Product Number=RC0603FR-07220KL, Mounting Type="Surface Mount", Supplier 1=DigiKey
R25 R27: library part "RES 560K 0603", "RES 1560K 1% 1/10W 0603", Case Package=0603, Manufacturer=YAGEO, Suppier Part Number=311-560KHRCT-ND, Category="Chip Resistor", Designed by="Emirhan Bozkurt", Manufacturer Product Number=RC0603FR-07560KL, Mounting Type="Surface Mount", Supplier 1=DigiKey
R28 R29: library part "RES 0R 0603", "RES 0 OHM 1% 1/10W 0603", Case Package=0603, Manufacturer=YAGEO, Suppier Part Number=2997-CR160000FTR-ND, Category="Chip Resistor", Designed by="Emirhan Bozkurt", Manufacturer Product Number=CR160000F, Mounting Type="Surface Mount", Supplier 1=DigiKey
R30: library part "RES 43K 0603", "RES 43K OHM 1% 1/10W 0603", Case Package=0603, Manufacturer=YAGEO, Suppier Part Number=311-43.0KHRTR-ND, Category="Chip Resistor", Designed by="Emirhan Bozkurt", Manufacturer Product Number=RC0603FR-0743KL, Mounting Type="Surface Mount", Supplier 1=DigiKey
R33: "SENSOR PTC 10KOHM 1% 1206", Case Package=1206, Max Operating Temperature=+70, Min Operating Temperature=-55, Supplier Part Number=541-3533-2-ND, Designed by="Emirhan Bozkurt", Manufacturer Product Number=TFPT1206L1002FM, Supplier 1=DigiKey
R36: library part "RES 100K 0603", "RES 100K OHM 1% 1/10W 0603", Case Package=0603, Manufacturer=YAGEO, Suppier Part Number=311-100KHRCT-ND, Category="Chip Resistor", Designed by="Emirhan Bozkurt", Manufacturer Product Number=RC0603FR-07100KL, Mounting Type="Surface Mount", Supplier 1=DigiKey
RL1 RL2: "RELAY GEN PURPOSE SPDT 10A 12V", Current=10A, Max Switching Voltage="250V AC - 30V DC", Supplier Part Number=255-3562-ND, Designed by="Emirhan Bozkurt", Manufacturer Product Number=ALQ112, Mounting Type=TH, Supplier 1=DigiKey
RL3: "230V - 12V PWR XFMR 1VA TH", Primary Voltage=230V, Secondary Voltage=12V, Supplier Part Number="PWR XFMR 1VA TH", Designed by="Emirhan Bozkurt", Mounting Type=TH, Supplier 1=DigiKey
S1: "SENSOR PYRO DETECTOR DUAL MOTION", Max Supply Voltage=12V, Min Supply Voltage=2V, Supplier Part Number=1601-LHI878/3902-ND, Designed by="Emirhan Bozkurt", Manufacturer Product Number="LHI 878/3902", Mounting Type=TH, Supplier 1=DigiKey
SW1: "SWITCH SLIDE SPDT 25MA 24V", Current=25mA, Max Supply Voltage=24V, Supplier Part Number=EG5720TR-ND, Designed by="Emirhan Bozkurt", Manufacturer Product Number=EG1215AA, Mounting Type="Surface Mount", Supplier 1=DigiKey
U1: "IC RTC CLK/CALENDAR I2C 8SOIC", Case Package=SOIC-8, Current=70µA, Package/Case=8-SOIC, Supplier Part Number=497-4697-2-ND, Voltage - Supply="2V ~ 5.5V", Designed by="Emirhan BOZKURT", Manufacturer Product Number=M41T00M6F, Mounting Type="Surface Mount", Supplier 1=DigiKey
U2: "LDO CMOS HICURR SOT223 T&R 2.5K", Case Package=SOT223, Current=1A, Max Input Voltage=6V, Output Voltage=3.3V, Supplier Part Number=31-AP7361EA-33E-13TR-ND, Designed by="Emirhan Bozkurt", Manufacturer Product Number=AP7361EA-33E-13, Mounting Type="Surface Mount", Supplier 1=DigiKey
U3: "IC REG BUCK 12V 1A SOIC-8", Case Package=SOIC-8, Current=1A, Max Input Voltage=40V, Min Input Voltage=6.5V, Supplier Part Number=296-35410-2-ND, Designed by="Emirhan Bozkurt", Mounting Type="Surface Mount", Supplier 1=DigiKey
U5: "IC MCU 32BIT 32KB FLASH 48LQFP", Case Package=48-LQFP, Supplier Part Number=497-11515-ND, Voltage="2V ~ 3.6V", ComponentLink1Description=Datasheet, ComponentLink1URL=https://www.st.com/content/ccc/resource/technical/document/datasheet/0d/93/e0/d7/77/bf/4c/54/CD00210843.pdf/files/CD00210843.pdf/jcr:content/translations/en.CD00210843.pdf, Designed by="Emirhan Bozkurt", Manufacturer Product Number=STM32F103C6T6A, Mounting Type="Surface Mount", Supplier 1=DigiKey
U6: "RF TXRX MOD BT WIFI TH SMD", Frequency="2.4GHz ~ 2.5GHz", Max Operating Temperature="85 °C", Min Operating Temperature="-45 °C", Supplier Part Number=1965-ESP32-WROOM-32E-N4TR-ND, Supply Voltage Nominal=3V3, ComponentLink1Description=Datasheet, ComponentLink1URL=https://www.espressif.com/sites/default/files/documentation/esp32-wroom-32e_esp32-wroom-32ue_datasheet_en.pdf, Designed by="Emirhan Bozkurt", Manufacturer Product Number=ESP32-WROOM-32E-N4, Supplier 1=DigiKey
U7: library part "USB PROTECTION", "TVS DIODE 5.25VWM 17VC SOT23-6", Case Package="SOT-23-6 STMicroelectronics", Manufacturer=STMicroelectronics, Supplier Part Number=497-5235-2-ND, Designed by="Emirhan Bozkurt", Manufacturer Product Number=USBLC6-2SC6, Supplier 1=DigiKey
U8: "IC PIR DETECTOR CTLR 14SOIC", Case Package=SOIC-14, Manufacturer=Onsemi, Manufacturer Product Number=NCS36000DRG, Supplier Part Number=NCS36000DRGOSCT-ND, ComponentLink1Description=Datasheet, ComponentLink1URL=https://www.onsemi.com/pdf/datasheet/ncs36000-d.pdf, Designed by="Emirhan Bozkurt", Supplier 1=DigiKey
U9: "IC OPAMP GP 1 CIRCUIT SOT23-5", Case Package="SOT-23-5 Texas Instruments", Manufacturer="Texas Instruments", Supplier Part Number=296-36699-1-ND, Designed by="Emirhan Bozkurt", Manufacturer Product Number=OPA314AIDBVR, Mounting Type="Surface Mount", Supplier 1=DigiKey
Y1: "CRYSTAL 32.7680KHZ 12.5PF SMD", Suppler Part Number=535-11899-2-ND, Designed by="Emirhan Bozkurt", Manufacturer Product Number=ABS05-32.768KHZ-T, Mounting Type="Surface Mount", Series=ABS05, Supplier 1=DigiKey
Y2: "CRYSTAL 16.0000MHZ 20PF SMD", Supplier Part Number=XC1120TR-ND, Designed by="Emirhan Bozkurt", Manufacturer Product Number=ECS-160-20-30B-TR, Series=ECX-53B, Supplier 1=DigiKey
J1 J3 J5: Designed by="Emirhan Bozkurt", Mounting Type="Surface Mount, Right Angle; Through Hole", Number of Positions=2

## Via types
v1: diameter 0.508/0.508 (per signal layer), hole 0.254, Top Layer to Bottom Layer, 53 vias
v2: diameter 0.45, hole 0.3, Top Layer to Bottom Layer, 22 vias
v3: diameter 0.6, hole 0.35, Top Layer to Bottom Layer, 18 vias
v4: diameter 0.5, hole 0.3, Top Layer to Bottom Layer, 17 vias
v5: diameter 1, hole 0.5, Top Layer to Bottom Layer, 5 vias
v6: diameter 1, hole 0.6, Top Layer to Bottom Layer, 1 vias
v7: diameter 0.5, hole 0.3, Top Layer to Bottom Layer, tented both sides, 1 vias

## Nets (pads, with @x,y where several pads share a name; then routed paths per layer and width w, separated by ;. In a path a pad name is that pad's centre, name@x,y a point inside that pad or via, vN(x,y) a via of type N, cw(c..) or ccw(c..) an arc to the next point about the centre after c; other vN are vias at no path point)
3V3DC: C1.2 C6.2 C7.2 C13.2 C14.2 C15.2 C17.2 C19.2 C21.2 C22.2 C23.2 C24.2 C25.2 C26.2 C29.2 C30.2 C31.2 C47.2 D5.A IC1.8 J7.1 J8.1 R6.2 R14.2 R15.2 R21.2 U1.8 U2.3 U5.9 U5.24 U5.36 U5.48 U6.2 U7.5 | length 39.9
  Top Layer w0.254: v1(58.344,38.735) 58.351,38.743 59.515,38.743 C26.2@59.538,38.72 59.538,40.322 60.606,41.391 U5.9@61.924,41.391 ; U7.5@63.816,9.302 v2(63.816,10.553) ; U5.36@70.424,45.391 72.335,45.391 73.177,46.233 73.177,48.412 v5(73.152,48.438) ; C13.2@71.53,15.405 71.555,15.379 73.504,15.379 C14.2@73.53,15.405 73.58,15.354 74.419,15.354 ; J8.1@73.228,56.744 73.279,56.744 73.304,56.718 v3(75.387,56.718) ; 74.419,15.379 74.52,15.278 75.403,15.278 C15.2@75.53,15.405 75.514,15.42 75.514,16.408
  Top Layer w0.279: U5.24@68.924,38.391 68.924,37.376 69.951,36.349 72.501,36.349 C25.2@72.517,36.332 ; C25.2@72.533,36.349 74.446,36.349 v4(74.447,36.347)
  Top Layer w0.381: v4(60.173,27.94) 60.2,27.913 R15.2@60.2,26.8 ; R14.2@60.2,22.1 62.863,22.1 v4(62.865,22.098)
  Top Layer w0.508: v5(12.954,4.129) 13.019,4.064 R6.2@15.202,4.064 ; IC1.8@70.645,26.924 73.627,26.924 C47.2@73.64,26.911 C17.2@76.2,26.911 76.254,26.857 v5(77.97,26.857)
  other v1: 10.922,5.08 47.612,46.612 47.574,50.546 53.518,52.527 50.749,52.578 47.473,52.807 53.975,54.991
  other v3: 54.483,28.067 54.483,29.083 54.483,30.099
3V3DC_SENSOR: C33.2 C34.2 C39.2 C40.2 C41.2 C44.2 J9.1 R23.2 R24.2 R32.2 R33.2 U8.14 U9.5 | length 48.4
  Top Layer w0.381: J9.1@90.786,12.217 94.462,12.217 95.987,13.741 97.765,13.741 98.196,14.173 98.196,14.897 R32.2@98.108,14.986
  Bottom Layer w0.635: 93.015,12.624 93.015,14.834 93.091,14.91 R23.2@93.104,14.91 ; 97.485,24.689 98.527,23.647 98.527,12.7 ; C41.2@98.536,12.117 101.503,12.117 102.113,11.507 102.544,11.507 102.588,11.463 R33.2@102.588,11.278 ; C44.2@104.099,9.017 104.11,9.027 104.11,10.648 103.48,11.278 R33.2@102.588,11.278 ; U9.5@104.608,3.647 105.755,3.647 107.62,5.512 107.62,11.811 106.528,12.903 103.429,12.903 102.588,12.063 R33.2@102.588,11.278
5VDC: BUZ1.1 C4.2 C5.2 C11.1 C12.2 C16.2 D4.C J2.1A J2.1B L1.2 U2.1 U3.4 | length 109.5
  Top Layer w0.508: BUZ1.1@9,40.221 9.05,40.271 C16.2@16.5,40.271 16.504,40.275 v7(18.925,40.275)
  Top Layer w0.635: D4.C@67.186,11.43 C12.2@69.85,11.43 v4(71.501,11.43)
  Bottom Layer w0.508: v7(18.925,40.275) 21.862,37.338 33.408,37.338 33.535,37.465 v3(36.576,37.465)
  Bottom Layer w0.635: J2.1B@42.15,14.521 55.583,14.521 57.023,13.081 57.023,3.937 59.182,1.778 69.342,1.778 72.898,5.334 72.898,10.033 v4(71.501,11.43)
  Bottom Layer w1.27: 35.306,35.687 35.306,16.637 37.422,14.521 J2.1B@42.15,14.521
  other v3: 36.576,36.195 36.576,38.735
12VDC: C8.2 C9.2 D1.C D2.C D6.C J4.1A J4.1B RL1.5 RL2.4 U3.7
  other v3: 23.901,43.51 25.07,43.51 26.162,43.51 16.002,53.34 17.272,53.34 18.542,53.34 16.002,58.776 17.272,58.776 18.542,58.776
AC_LINE_1: J1.1 R1.1 | length 9.8
  Top Layer w1.524: J1.1@7.239,105.207 R1.1@17,105.207
AC_LINE_2: J1.2 RL3.1 | length 18.2
  Top Layer w1.524: J1.2@7.239,100.127 15.645,91.721 RL3.1@22,91.721